# KiCad board MB1635_good_conversion.kicad_pcb (continued)
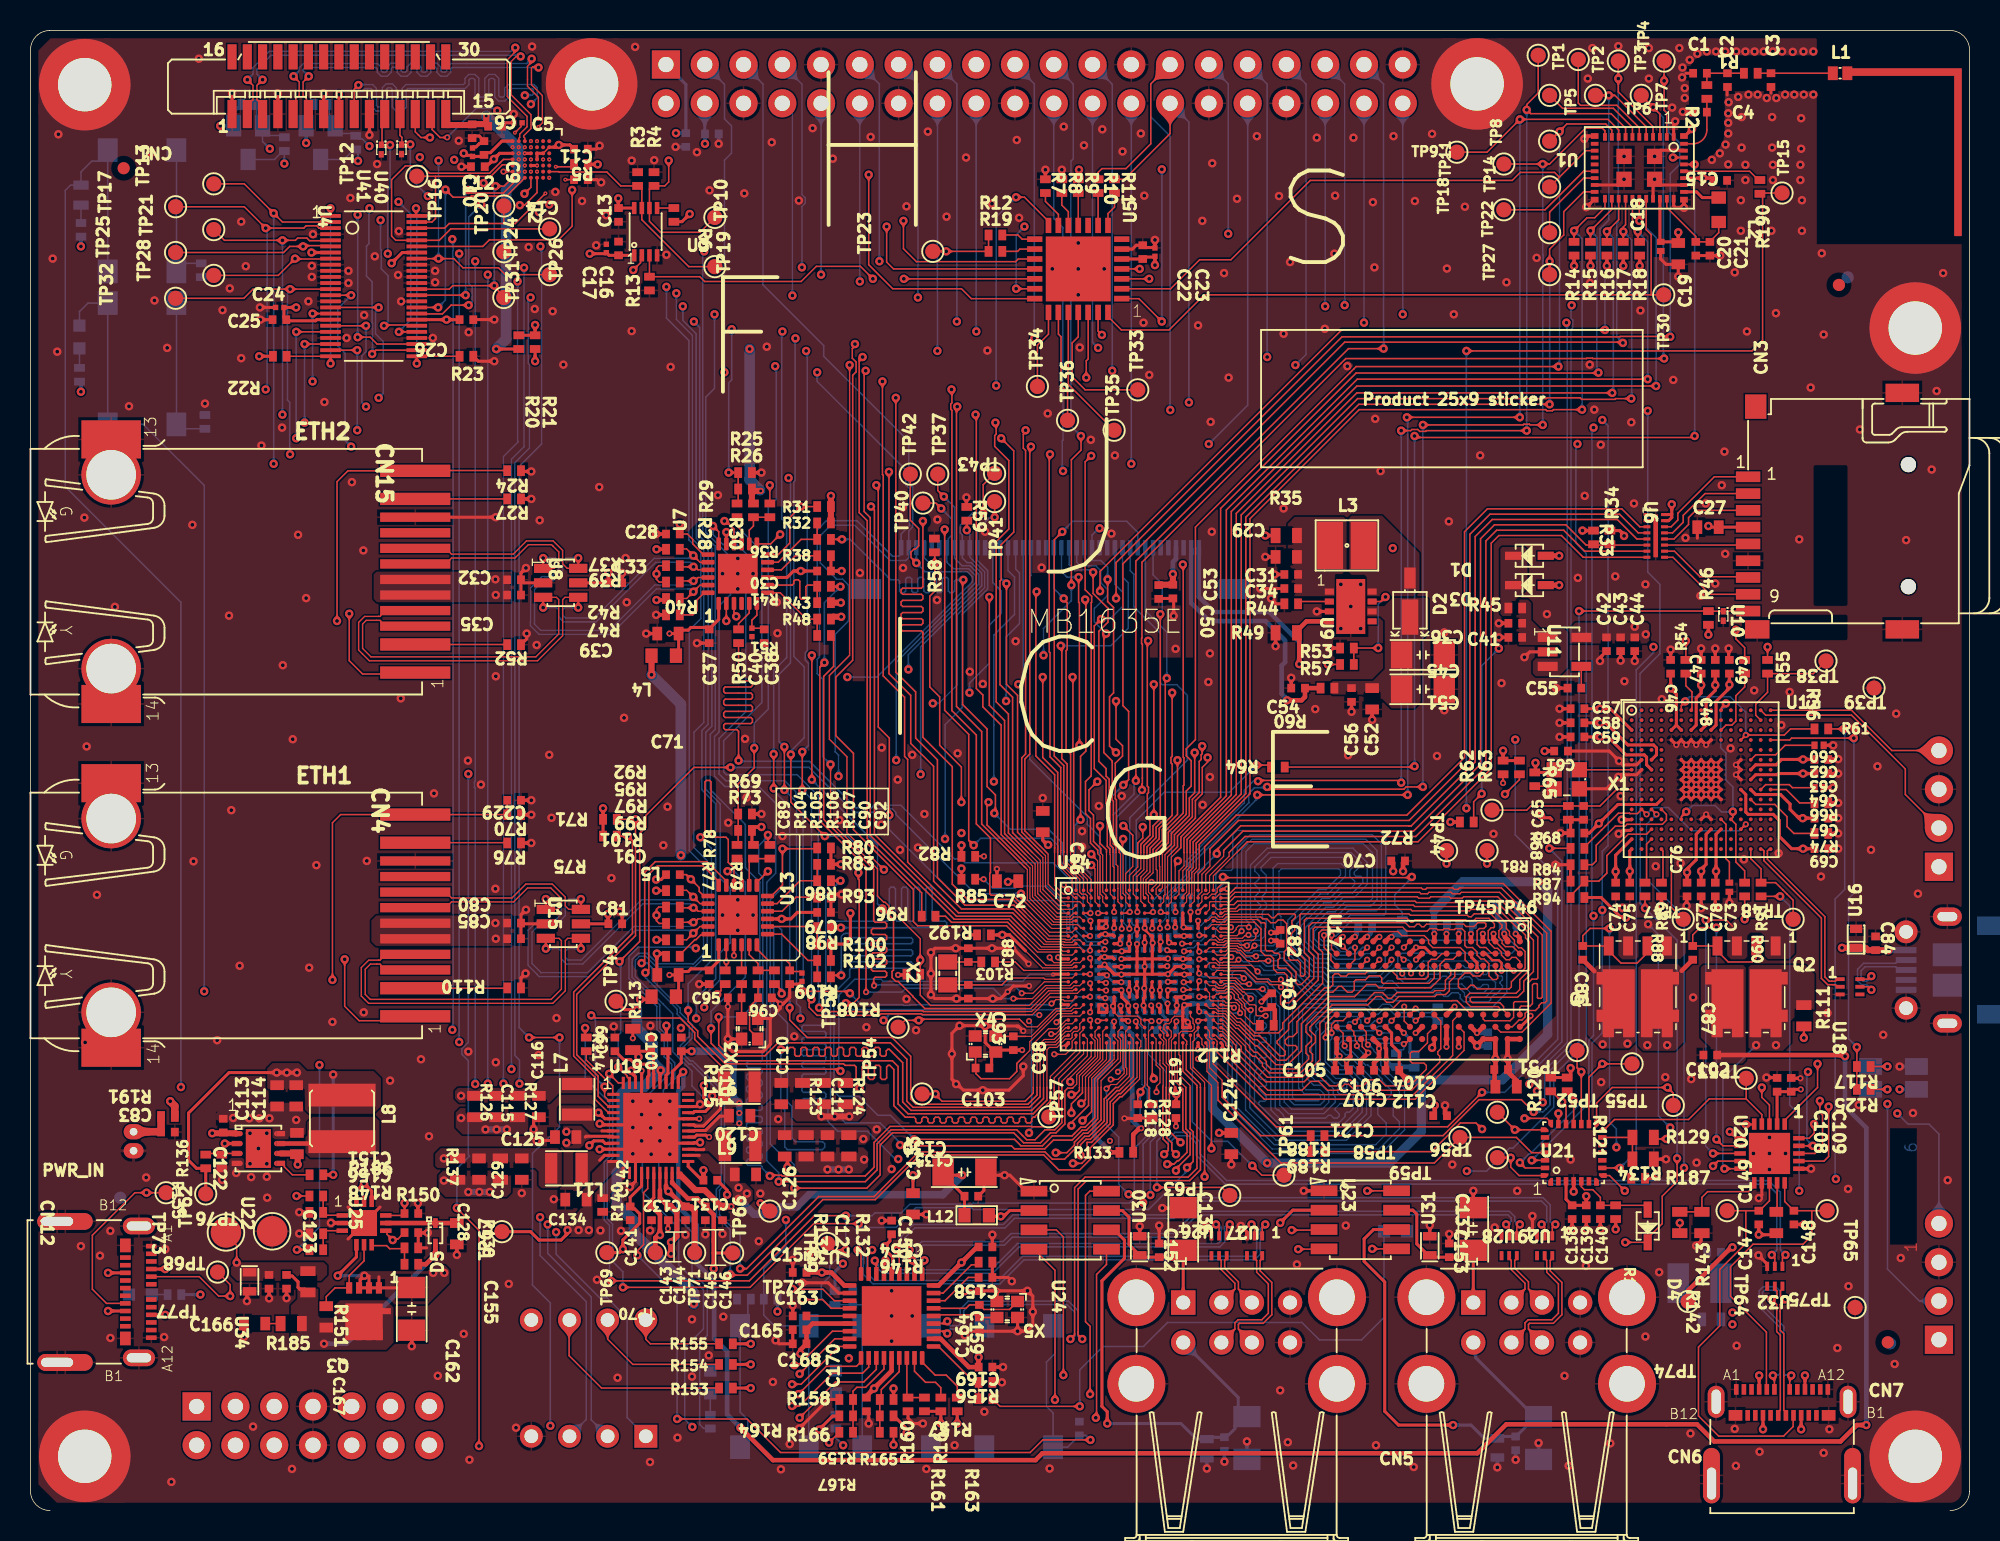
[diagram p0: board, top side]
## Placement (name value [footprint] x y rotation side) (continued)
C180  Capacitor  [C0402]  92.33 38.4 0 bottom
C181  Capacitor  [C0402]  87.42 38.25 180 bottom
C182  Capacitor  [C0201_MURATA_GRM033_H0P3]  76 37.93 270 bottom
C183  Capacitor  [C0201_MURATA_GRM033_H0P3]  69.9 37.9 270 bottom
C184  Capacitor  [C0201_MURATA_GRM033_H0P3]  74.83 37.68 0 bottom
C185  Capacitor  [C0201_MURATA_GRM033_H0P3]  73.72 37.68 180 bottom
C186  Capacitor  [C0201_MURATA_GRM033_H0P3]  72.3 37.63 180 bottom
C187  Capacitor  [C0201_MURATA_GRM033_H0P3]  71.18 37.63 180 bottom
C188  Capacitor  [C0201_MURATA_GRM033_H0P3]  74 36.53 90 bottom
C189  Capacitor  [C0201_MURATA_GRM033_H0P3]  73.18 36.75 180 bottom
C190  Capacitor  [C0201_MURATA_GRM033_H0P3]  71.93 36.48 90 bottom
C191  Capacitor  [C0201_MURATA_GRM033_H0P3]  69.88 36.25 270 bottom
C192  Capacitor  [C0201_MURATA_GRM033_H0P3]  76.05 36.23 90 bottom
C193  Capacitor  [C0201_MURATA_GRM033_H0P3]  74.98 36 90 bottom
C194  Capacitor  [C0201_MURATA_GRM033_H0P3]  70.98 35.98 90 bottom
C195  Capacitor  [C0201_MURATA_GRM033_H0P3]  73.72 35.7 180 bottom
C196  Capacitor  [C0201_MURATA_GRM033_H0P3]  72.2 35.65 180 bottom
C197  Capacitor  [C0201_MURATA_GRM033_H0P3]  69.88 35.15 270 bottom
C198  Capacitor  [C0201_MURATA_GRM033_H0P3]  76.05 35.13 270 bottom
C199  Capacitor  [C0201_MURATA_GRM033_H0P3]  74.98 34.9 270 bottom
C200  Capacitor  [C0201_MURATA_GRM033_H0P3]  74 34.88 270 bottom
C201  Capacitor  [C0201_MURATA_GRM033_H0P3]  71 34.88 270 bottom
C202  Capacitor  [C0201_MURATA_GRM033_H0P3]  71.9 34.83 270 bottom
C203  Capacitor  [C0201_MURATA_GRM033_H0P3]  72.73 34.75 0 bottom
C204  Capacitor  [C0201_MURATA_GRM033_H0P3]  74.98 33.8 90 bottom
C205  Capacitor  [C0201_MURATA_GRM033_H0P3]  71 33.78 270 bottom
C206  Capacitor  [C0201_MURATA_GRM033_H0P3]  76.05 33.48 90 bottom
C207  Capacitor  [C0201_MURATA_GRM033_H0P3]  69.93 33.4 270 bottom
C208  Capacitor  [C0201_MURATA_GRM033_H0P3]  73.23 33.6 0 bottom
C209  Capacitor  [C0201_MURATA_GRM033_H0P3]  72 33.6 0 bottom
C210  Capacitor  [C0402]  77.25 32.8 90 bottom
C211  Capacitor  [C0201_MURATA_GRM033_H0P3]  75.48 32.65 180 bottom
C212  Capacitor  [C0201_MURATA_GRM033_H0P3]  74.38 32.65 0 bottom
C213  Capacitor  [C0201_MURATA_GRM033_H0P3]  73.28 32.65 0 bottom
C214  Capacitor  [_Subversion_Altium_Designer_Library_Trunk_MCD_PARTS_CAPACITOR.PcbLib_C0201_MURATA_GRM033_H0P3]  71.63 32.55 0 bottom
C215  Capacitor  [C0201_MURATA_GRM033_H0P3]  70.53 32.55 180 bottom
C216  Capacitor  [_Subversion_Altium_Designer_Library_Trunk_MCD_PARTS_database.DbLib/MCD_PARTS$_C0201_H0P5]  75.33 31.48 0 bottom
C217  Capacitor  [_Subversion_Altium_Designer_Library_Trunk_MCD_PARTS_database.DbLib/MCD_PARTS$_C0201_H0P5]  74.02 31.48 0 bottom
C218  Capacitor  [C0402]  95.45 30.9 270 bottom
C219  Capacitor  [C0201_MURATA_GRM033_H0P3]  71.16 31.25 0 bottom
C220  Capacitor  [_Subversion_Altium_Designer_Library_Trunk_MCD_PARTS_CAPACITOR.PcbLib_C0402]  71.21 30.55 180 bottom
C221  Capacitor  [_Subversion_Altium_Designer_Library_Trunk_MCD_PARTS_CAPACITOR.PcbLib_C0402#3]  110.28 16.92 0 bottom
C222  Capacitor  [_Subversion_Altium_Designer_Library_Trunk_MCD_PARTS_database.DbLib/MCD_PARTS$_C1210]  109.33 14.9 0 bottom
C223  Capacitor  [_Subversion_Altium_Designer_Library_Trunk_MCD_PARTS_CAPACITOR.PcbLib_C0402]  53.87 13.94 270 bottom
C224  Capacitor  [_Subversion_Altium_Designer_Library_Trunk_MCD_PARTS_CAPACITOR.PcbLib_C1206_H1P6]  98.78 4.75 90 bottom
C225  Capacitor  [_Subversion_Altium_Designer_Library_Trunk_MCD_PARTS_CAPACITOR.PcbLib_C1206_H1P6]  79.68 4.75 90 bottom
C226  Capacitor  [_Subversion_Altium_Designer_Library_Trunk_MCD_PARTS_CAPACITOR.PcbLib_C0402]  97.28 4.4 90 bottom
C227  Capacitor  [_Subversion_Altium_Designer_Library_Trunk_MCD_PARTS_CAPACITOR.PcbLib_C0402]  78.2 4.35 90 bottom
C228  Capacitor  [C0402]  68.7 5.38 270 bottom
C229  Capacitor  [C0402]  31.67 46.55 180 top
CART-1  Comment  [_VIRGIL_AAA__JOB_ALTIUM_STM_Library_Altium_Library_Altium_STM-LMS_MCD_PARTS.PcbLib_Sheetbox_6L2S]  16.92 -29.77 0 top
CN1  Socket_FFC/FPC_1-1734248-5  [_Subversion_Altium_Designer_Library_Trunk_MCD_PARTS_CONNECTOR_OTHER.PcbLib_CON_TE-CONNECTIVITY_1-1734248-5]  20.2 93.4 180 top
CN3  MR01A-01211  [_Subversion_Altium_Designer_Library_Trunk_MCD_PARTS_database.DbLib/MCD_PARTS$_CON_MICROSD_ATOM_MR01A-01211]  127 65.5 90 top
CN4  RJ45_RTS-119A-12F6-GY-02  [CON_RJ45_PHC_RMT-119A-12F6-GY-02]  0 39 270 top
CN5  USB_DUAL_TYPEA_5600-3081  [_Subversion_Altium_Designer_Library_Trunk_MCD_PARTS_CONNECTOR_OTHER.PcbLib_CON_DUAL-USB-TYPE-A_CONEXCON_5600-3081]  79 -2 0 top
CN6  USB_DUAL_TYPEA_5600-3081  [_Subversion_Altium_Designer_Library_Trunk_MCD_PARTS_CONNECTOR_OTHER.PcbLib_CON_DUAL-USB-TYPE-A_CONEXCON_5600-3081]  98 -2 0 top
CN7  USB_TYPE_C_Receptacle  [CON_USB-TYPEC_MOLEX_2012670005#2]  114.72 4.85 0 top
CN8  Header 20x2  [_Subversion_Altium_Designer_Library_Trunk_MCD_PARTS_CONNECTOR_SAMTEC.PcbLib_CON_SAMTEC_TSW-120-07-G-D]  65.75 93.5 0 bottom
CN9  Header 4x1  [_Subversion_Altium_Designer_Library_Trunk_MCD_PARTS_database.DbLib/MCD_PARTS$_CON_SAMTEC_TSW-104-07-G-S]  125 46 90 bottom
CN10  USB_uB_105017.0001  [_Subversion_Altium_Designer_Library_Trunk_MCD_PARTS_CONNECTOR_OTHER.PcbLib_CON_USBMICROB_MOLEX_105017-0001_H2P90]  127 35.43 270 bottom
CN11  Header 2x1  [_Subversion_Altium_Designer_Library_Trunk_MCD_PARTS_CONNECTOR_OTHER.PcbLib_CON_MOLEX_53047-0210]  6.75 24.2 270 bottom
CN12  USB_TYPE_C_Receptacle  [CON_USB-TYPEC_MOLEX_2012670005]  4.82 14.33 270 top
CN13  Header 4x1  [_Subversion_Altium_Designer_Library_Trunk_MCD_PARTS_database.DbLib/MCD_PARTS$_CON_SAMTEC_TSW-104-07-G-S]  125 15 90 bottom
CN14  Header 7x2  [CON_SAMTEC_TSW-107-07-X-D]  18.5 5.55 0 bottom
CN15  RJ45_RTS-119A-12F6-GY-02  [CON_RJ45_PHC_RMT-119A-12F6-GY-02]  0 61.53 270 top
CN16  5051104091  [CON_MOLEX_5051104091]  66.78 62 180 bottom
D1  BAT60JFILM  [_Subversion_Altium_Designer_Library_Trunk_MCD_PARTS_DIODE.PcbLib_DIO_SOD323]  98.17 62.58 180 top
D2  STPS1L40M  [_Subversion_Altium_Designer_Library_Trunk_MCD_PARTS_DIODE.PcbLib_DIO_DO216-AA]  90.35 59.6 90 top
D3  BAT60JFILM  [_Subversion_Altium_Designer_Library_Trunk_MCD_PARTS_DIODE.PcbLib_DIO_SOD323]  98.17 60.65 180 top
D4  BAT60JFILM  [_Subversion_Altium_Designer_Library_Trunk_MCD_PARTS_DIODE.PcbLib_DIO_SOD323]  105.93 18.65 270 top
D5  SCHOTTKY_1A_2K  [DIO_SOD523_1A_2K]  26.52 18.16 90 top
Designator1  Comment  [_Users_Gasnot Jordane_Documents_Projets_ATE_STM_Le Mans_Bibliothèque_MCD_PARTS.PcbLib_MIRE_PLACE_SMD_0P8MM]  6.1 87.98 0 top
Designator2  Comment  [_Users_Gasnot Jordane_Documents_Projets_ATE_STM_Le Mans_Bibliothèque_MCD_PARTS.PcbLib_MIRE_PLACE_SMD_0P8MM]  118.45 80.33 0 top
Designator3  Comment  [_Users_Gasnot Jordane_Documents_Projets_ATE_STM_Le Mans_Bibliothèque_MCD_PARTS.PcbLib_MIRE_PLACE_SMD_0P8MM]  121.65 11.03 0 top
Designator4  Comment  [_Users_Gasnot Jordane_Documents_Projets_ATE_STM_Le Mans_Bibliothèque_MCD_PARTS.PcbLib_MIRE_PLACE_SMD_0P8MM]  119.03 80.83 180 bottom
Designator5  Comment  [_Users_Gasnot Jordane_Documents_Projets_ATE_STM_Le Mans_Bibliothèque_MCD_PARTS.PcbLib_MIRE_PLACE_SMD_0P8MM]  5.88 20.5 180 bottom
Designator6  Comment  [_Users_Gasnot Jordane_Documents_Projets_ATE_STM_Le Mans_Bibliothèque_MCD_PARTS.PcbLib_MIRE_PLACE_SMD_0P8MM]  121.8 10.95 180 bottom
HW2  STICKER_BOARD  [_Subversion_Altium_Designer_Library_Trunk_MCD_PARTS_MISC.PcbLib_STICKER_BOARD_25X9]  111.62 91.95 180 bottom
HW3  STICKER_PRODUCT  [_Subversion_Altium_Designer_Library_Trunk_MCD_PARTS_MISC.PcbLib_STICKER_PRODUCT_25X9]  93.1 72.88 0 top
L1  Inductor  [_Subversion_Altium_Designer_Library_Trunk_MCD_PARTS_INDUCTOR.PcbLib_IND_0402_MURATA_LQW15AN2N4C00X]  118.52 94.2 0 top
L2  Inductor  [_Subversion_Altium_Designer_Library_Trunk_MCD_PARTS_INDUCTOR.PcbLib_L0603]  110.58 85.25 270 top
L3  Inductor  [_Subversion_Altium_Designer_Library_Trunk_MCD_PARTS_INDUCTOR.PcbLib_L1210_LQH]  86.23 63.25 0 top
L4  BEAD  [_Subversion_Altium_Designer_Library_Trunk_MCD_PARTS_INDUCTOR.PcbLib_L0603]  41.48 56.03 180 top
L5  BEAD  [_Subversion_Altium_Designer_Library_Trunk_MCD_PARTS_INDUCTOR.PcbLib_L0603]  41.48 33.68 180 top
L6  IND_1uH_42mohm_3.2A  [IND_2520_TOKO_DFE252012P]  46.42 27.78 0 top
L7  IND_1uH_42mohm_3.2A  [IND_2520_TOKO_DFE252012P]  35.8 26.95 90 top
L8  Inductor  [_Subversion_Altium_Designer_Library_Trunk_MCD_PARTS_INDUCTOR.PcbLib_IND_4025_WURTH_74404043022A]  20.4 25.7 90 top
L9  IND_1uH_42mohm_3.2A  [IND_2520_TOKO_DFE252012P]  46.48 23.9 0 top
L11  IND_1uH_42mohm_3.2A  [IND_2520_TOKO_DFE252012P]  35.1 22.43 180 top
L12  BEAD  [_Subversion_Altium_Designer_Library_Trunk_MCD_PARTS_INDUCTOR.PcbLib_FIL_0603_H0P65]  61.98 19.35 0 top
LD1  LED_green  [LED_0603_GREEN]  7.2 14.15 180 bottom
LD2  LED_red  [_Subversion_Altium_Designer_Library_Trunk_MCD_PARTS_DISPLAY.PcbLib_LED_0603_RED]  89.4 18.3 0 bottom
LD3  LED_blue  [_Subversion_Altium_Designer_Library_Trunk_MCD_PARTS_DISPLAY.PcbLib_LED_0603_SMD-B_BLUE_H0P4]  3.3 86.21 90 bottom
LD4  LED_red  [_Subversion_Altium_Designer_Library_Trunk_MCD_PARTS_DISPLAY.PcbLib_LED_0603_RED]  3.2 76.91 90 bottom
LD5  LD_BICOLOR_VCC  [LED_BI-GR_CMD67-22]  122.02 28.35 90 bottom
LD6  LED_orange  [_Subversion_Altium_Designer_Library_Trunk_MCD_PARTS_DISPLAY.PcbLib_LED_0603_ORANGE_H0P4]  44.52 8.43 90 bottom
LD7  LED_green  [_Subversion_Altium_Designer_Library_Trunk_MCD_PARTS_DISPLAY.PcbLib_LED_0603_GREEN]  52.75 8.42 90 bottom
NOREF  -  [unnamed]  94.75 93.5 0 top
NOREF#2  -  [unnamed]  123.45 77.5 0 top
NOREF#3  -  [unnamed]  3.55 3.55 0 top
NOREF#4  -  [unnamed]  3.55 93.45 0 top
NOREF#5  -  [unnamed]  123.45 3.55 0 top
NOREF#6  -  [unnamed]  36.75 93.5 0 top
Q1  STL40DN3LLH5  [_Subversion_Altium_Designer_Library_Trunk_MCD_PARTS_TRANSISTOR.PcbLib_PowerFLAT_5x6]  105.28 34.33 0 top
Q2  STL40DN3LLH5  [_Subversion_Altium_Designer_Library_Trunk_MCD_PARTS_TRANSISTOR.PcbLib_PowerFLAT_5x6]  112.4 34.33 0 top
Q3  STL11N3LLH6  [MOS_POWERFLAT_3P3X3P3_P065]  21.84 13.06 180 top
R1  Resistor  [_Subversion_Altium_Designer_Library_Trunk_MCD_PARTS_RESISTOR.PcbLib_R0402#3]  112.68 94.2 180 top
R2  Resistor  [_Subversion_Altium_Designer_Library_Trunk_MCD_PARTS_RESISTOR.PcbLib_R0402]  109.8 92.98 270 top
R3  Resistor  [_Subversion_Altium_Designer_Library_Trunk_MCD_PARTS_RESISTOR.PcbLib_R0402#3]  39.76 87.26 90 top
R4  Resistor  [_Subversion_Altium_Designer_Library_Trunk_MCD_PARTS_RESISTOR.PcbLib_R0402#3]  40.84 87.26 90 top
R5  Resistor  [_Subversion_Altium_Designer_Library_Trunk_MCD_PARTS_RESISTOR.PcbLib_R0402#3]  36.05 88.23 180 top
R6  Resistor  [_Subversion_Altium_Designer_Library_Trunk_MCD_PARTS_RESISTOR.PcbLib_R0402]  42.14 84.91 270 top
R7  Resistor  [_Subversion_Altium_Designer_Library_Trunk_MCD_PARTS_RESISTOR.PcbLib_R0402]  66.47 86.8 270 top
R8  Resistor  [_Subversion_Altium_Designer_Library_Trunk_MCD_PARTS_RESISTOR.PcbLib_R0402]  67.55 86.8 270 top
R9  Resistor  [_Subversion_Altium_Designer_Library_Trunk_MCD_PARTS_RESISTOR.PcbLib_R0402]  68.62 86.8 270 top
R10  Resistor  [_Subversion_Altium_Designer_Library_Trunk_MCD_PARTS_RESISTOR.PcbLib_R0402]  69.92 86.8 270 top
R11  Resistor  [_Subversion_Altium_Designer_Library_Trunk_MCD_PARTS_RESISTOR.PcbLib_R0402]  71 86.8 270 top
R12  Resistor  [_Subversion_Altium_Designer_Library_Trunk_MCD_PARTS_RESISTOR.PcbLib_R0402#3]  63.2 83.6 0 top
R13  Resistor  [_Subversion_Altium_Designer_Library_Trunk_MCD_PARTS_RESISTOR.PcbLib_R0402#2]  40.54 80.41 90 top
R14  Resistor  [_Subversion_Altium_Designer_Library_Trunk_MCD_PARTS_RESISTOR.PcbLib_R0402]  101.1 82.7 90 top
R15  Resistor  [_Subversion_Altium_Designer_Library_Trunk_MCD_PARTS_RESISTOR.PcbLib_R0402]  102.17 82.7 90 top
R16  Resistor  [_Subversion_Altium_Designer_Library_Trunk_MCD_PARTS_RESISTOR.PcbLib_R0402]  103.25 82.7 90 top
R17  Resistor  [_Subversion_Altium_Designer_Library_Trunk_MCD_PARTS_RESISTOR.PcbLib_R0402]  104.33 82.7 90 top
R18  Resistor  [_Subversion_Altium_Designer_Library_Trunk_MCD_PARTS_RESISTOR.PcbLib_R0402]  105.4 82.7 90 top
R19  Resistor  [_Subversion_Altium_Designer_Library_Trunk_MCD_PARTS_RESISTOR.PcbLib_R0402#3]  63.2 82.53 0 top
R20  Resistor  [_Subversion_Altium_Designer_Library_Trunk_MCD_PARTS_RESISTOR.PcbLib_R0402]  31.97 76.58 270 top
R21  Resistor  [_Subversion_Altium_Designer_Library_Trunk_MCD_PARTS_RESISTOR.PcbLib_R0402]  33.05 76.58 270 top
R22  Resistor  [_Subversion_Altium_Designer_Library_Trunk_MCD_PARTS_RESISTOR.PcbLib_R0402#3]  16.33 75.65 180 top
R23  Resistor  [_Subversion_Altium_Designer_Library_Trunk_MCD_PARTS_RESISTOR.PcbLib_R0402#3]  28.55 75.65 0 top
R24  Resistor  [_Subversion_Altium_Designer_Library_Trunk_MCD_PARTS_RESISTOR.PcbLib_R0402#3]  31.68 68.15 180 top
R25  Resistor  [_Subversion_Altium_Designer_Library_Trunk_MCD_PARTS_RESISTOR.PcbLib_R0402]  46.8 68.03 0 top
R26  Resistor  [_Subversion_Altium_Designer_Library_Trunk_MCD_PARTS_RESISTOR.PcbLib_R0402]  46.8 66.95 0 top
R27  Resistor  [_Subversion_Altium_Designer_Library_Trunk_MCD_PARTS_RESISTOR.PcbLib_R0402#3]  31.68 66.3 180 top
R28  Resistor  [_Subversion_Altium_Designer_Library_Trunk_MCD_PARTS_RESISTOR.PcbLib_R0402]  46.27 65.55 270 top
R29  Resistor  [_Subversion_Altium_Designer_Library_Trunk_MCD_PARTS_RESISTOR.PcbLib_R0402]  47.35 65.55 90 top
R30  Resistor  [_Subversion_Altium_Designer_Library_Trunk_MCD_PARTS_RESISTOR.PcbLib_R0402]  48.42 65.55 270 top
R31  Resistor  [_Subversion_Altium_Designer_Library_Trunk_MCD_PARTS_RESISTOR.PcbLib_R0402#2]  51.98 65.8 0 top
R32  Resistor  [_Subversion_Altium_Designer_Library_Trunk_MCD_PARTS_RESISTOR.PcbLib_R0402#2]  51.98 64.73 0 top
R33  Resistor  [_Subversion_Altium_Designer_Library_Trunk_MCD_PARTS_RESISTOR.PcbLib_R0402]  102.37 63.78 270 top
R34  Resistor  [_Subversion_Altium_Designer_Library_Trunk_MCD_PARTS_RESISTOR.PcbLib_R0402]  103.45 63.78 90 top
R35  Resistor  [_Subversion_Altium_Designer_Library_Trunk_MCD_PARTS_database.DbLib/MCD_PARTS$_R0603]  82.25 63.9 0 top
R36  Resistor  [_Subversion_Altium_Designer_Library_Trunk_MCD_PARTS_RESISTOR.PcbLib_R0402#3]  51.98 63.65 180 top
R37  Resistor  [_Subversion_Altium_Designer_Library_Trunk_MCD_PARTS_RESISTOR.PcbLib_R0402#2]  42.07 63 180 top
R38  Resistor  [_Subversion_Altium_Designer_Library_Trunk_MCD_PARTS_RESISTOR.PcbLib_R0402#2]  51.98 62.58 0 top
R39  Resistor  [_Subversion_Altium_Designer_Library_Trunk_MCD_PARTS_RESISTOR.PcbLib_R0402#2]  42.07 61.93 180 top
R40  Resistor  [_Subversion_Altium_Designer_Library_Trunk_MCD_PARTS_RESISTOR.PcbLib_R0402#2]  42.07 60.85 180 top
R41  Resistor  [_Subversion_Altium_Designer_Library_Trunk_MCD_PARTS_RESISTOR.PcbLib_R0402#3]  51.98 60.58 180 top
R42  Resistor  [_Subversion_Altium_Designer_Library_Trunk_MCD_PARTS_RESISTOR.PcbLib_R0402#2]  42.07 59.78 180 top
R43  Resistor  [_Subversion_Altium_Designer_Library_Trunk_MCD_PARTS_RESISTOR.PcbLib_R0402#2]  51.98 59.5 0 top
R44  Resistor  [_Subversion_Altium_Designer_Library_Trunk_MCD_PARTS_RESISTOR.PcbLib_R0402#3]  82.58 59.43 0 top
R45  Resistor  [_Subversion_Altium_Designer_Library_Trunk_MCD_PARTS_RESISTOR.PcbLib_R0402#3]  97.25 59.15 0 top
R46  Resistor  [_Subversion_Altium_Designer_Library_Trunk_MCD_PARTS_RESISTOR.PcbLib_R0402]  109.9 58.5 90 top
R47  Resistor  [_Subversion_Altium_Designer_Library_Trunk_MCD_PARTS_RESISTOR.PcbLib_R0402#2]  42.07 58.7 180 top
R48  Resistor  [_Subversion_Altium_Designer_Library_Trunk_MCD_PARTS_RESISTOR.PcbLib_R0402#2]  51.98 58.43 0 top
R49  Resistor  [_Subversion_Altium_Designer_Library_Trunk_MCD_PARTS_database.DbLib/MCD_PARTS$_R0603]  82.25 57.53 0 top
R50  Resistor  [_Subversion_Altium_Designer_Library_Trunk_MCD_PARTS_RESISTOR.PcbLib_R0402]  46.37 57.3 90 top
R51  Resistor  [_Subversion_Altium_Designer_Library_Trunk_MCD_PARTS_RESISTOR.PcbLib_R0402#3]  51.98 57.35 180 top
R52  Resistor  [_Subversion_Altium_Designer_Library_Trunk_MCD_PARTS_RESISTOR.PcbLib_R0402#3]  31.68 56.75 180 top
R53  Resistor  [_Subversion_Altium_Designer_Library_Trunk_MCD_PARTS_database.DbLib/MCD_PARTS$_R0402#3]  86.23 56.53 0 top
R54  Resistor  [_Subversion_Altium_Designer_Library_Trunk_MCD_PARTS_RESISTOR.PcbLib_R0402]  108.42 55.3 90 top
R55  Resistor  [_Subversion_Altium_Designer_Library_Trunk_MCD_PARTS_RESISTOR.PcbLib_R0402]  112.27 55.3 90 top
R56  Resistor  [_Subversion_Altium_Designer_Library_Trunk_MCD_PARTS_RESISTOR.PcbLib_R0402]  113.78 55.3 270 top
R57  Resistor  [_Subversion_Altium_Designer_Library_Trunk_MCD_PARTS_database.DbLib/MCD_PARTS$_R0402#3]  86.23 55.45 0 top
R58  Resistor  [_Subversion_Altium_Designer_Library_Trunk_MCD_PARTS_RESISTOR.PcbLib_R0402]  59.2 63.25 90 top
R59  Resistor  [_Subversion_Altium_Designer_Library_Trunk_MCD_PARTS_database.DbLib/MCD_PARTS$_R0402]  61.33 65.33 270 top
R60  Resistor  [_Subversion_Altium_Designer_Library_Trunk_MCD_PARTS_RESISTOR.PcbLib_R0402]  84.95 53.9 180 top
R61  Resistor  [_Subversion_Altium_Designer_Library_Trunk_MCD_PARTS_RESISTOR.PcbLib_R0402#2]  117.3 51.23 0 top
R62  Resistor  [R0402]  96.45 48.7 90 top
R63  Resistor  [R0402]  97.53 48.7 90 top
R64  Resistor  [_Subversion_Altium_Designer_Library_Trunk_MCD_PARTS_database.DbLib/MCD_PARTS$_R0402#2]  81.7 48.73 180 top
R65  Resistor  [_Subversion_Altium_Designer_Library_Trunk_MCD_PARTS_RESISTOR.PcbLib_R0402]  98.53 47.93 270 top
R66  Resistor  [_Subversion_Altium_Designer_Library_Trunk_MCD_PARTS_RESISTOR.PcbLib_R0402#3]  117.3 46.38 180 top
R68  Resistor  [_Subversion_Altium_Designer_Library_Trunk_MCD_PARTS_RESISTOR.PcbLib_R0402]  100.72 45.73 270 top
R69  Resistor  [_Subversion_Altium_Designer_Library_Trunk_MCD_PARTS_RESISTOR.PcbLib_R0402]  46.8 45.65 0 top
R70  Resistor  [_Subversion_Altium_Designer_Library_Trunk_MCD_PARTS_RESISTOR.PcbLib_R0402#3]  31.68 45.6 180 top
R71  Resistor  [R0402]  37.95 45.3 180 top
R72  Resistor  [_Subversion_Altium_Designer_Library_Trunk_MCD_PARTS_RESISTOR.PcbLib_R0402#2]  94.08 45.13 180 top
R73  Resistor  [_Subversion_Altium_Designer_Library_Trunk_MCD_PARTS_RESISTOR.PcbLib_R0402]  46.8 44.58 0 top
R74  Resistor  [_Subversion_Altium_Designer_Library_Trunk_MCD_PARTS_RESISTOR.PcbLib_R0402#3]  117.3 44.38 180 top
R75  Resistor  [R0402]  37.95 44.2 180 top
R76  Resistor  [_Subversion_Altium_Designer_Library_Trunk_MCD_PARTS_RESISTOR.PcbLib_R0402#3]  31.68 43.75 180 top
R77  Resistor  [_Subversion_Altium_Designer_Library_Trunk_MCD_PARTS_RESISTOR.PcbLib_R0402]  46.27 43.18 270 top
R78  Resistor  [_Subversion_Altium_Designer_Library_Trunk_MCD_PARTS_RESISTOR.PcbLib_R0402]  47.35 43.18 90 top
R79  Resistor  [_Subversion_Altium_Designer_Library_Trunk_MCD_PARTS_RESISTOR.PcbLib_R0402]  48.42 43.18 270 top
R80  Resistor  [_Subversion_Altium_Designer_Library_Trunk_MCD_PARTS_RESISTOR.PcbLib_R0402#2]  51.98 43.43 0 top
R81  Resistor  [_Subversion_Altium_Designer_Library_Trunk_MCD_PARTS_RESISTOR.PcbLib_R0402#3]  101.33 43.4 180 top
R82  Resistor  [R0402]  61.42 42.88 180 top
R83  Resistor  [_Subversion_Altium_Designer_Library_Trunk_MCD_PARTS_RESISTOR.PcbLib_R0402#2]  51.98 42.35 0 top
R84  Resistor  [_Subversion_Altium_Designer_Library_Trunk_MCD_PARTS_RESISTOR.PcbLib_R0402#2]  101.33 42.33 0 top
R85  Resistor  [_Subversion_Altium_Designer_Library_Trunk_MCD_PARTS_database.DbLib/MCD_PARTS$_R0402]  61.42 41.38 0 top
R86  Resistor  [_Subversion_Altium_Designer_Library_Trunk_MCD_PARTS_RESISTOR.PcbLib_R0402#3]  51.98 41.28 180 top
R87  Resistor  [_Subversion_Altium_Designer_Library_Trunk_MCD_PARTS_RESISTOR.PcbLib_R0402#2]  101.33 41.25 0 top
R88  Resistor  [_Subversion_Altium_Designer_Library_Trunk_MCD_PARTS_RESISTOR.PcbLib_R0402]  105.75 40.7 270 top
R89  Resistor  [_Subversion_Altium_Designer_Library_Trunk_MCD_PARTS_RESISTOR.PcbLib_R0402]  106.83 40.7 90 top
R90  Resistor  [_Subversion_Altium_Designer_Library_Trunk_MCD_PARTS_RESISTOR.PcbLib_R0402]  112.27 40.7 270 top
R91  Resistor  [_Subversion_Altium_Designer_Library_Trunk_MCD_PARTS_RESISTOR.PcbLib_R0402]  113.35 40.7 90 top
R92  Resistor  [_Subversion_Altium_Designer_Library_Trunk_MCD_PARTS_RESISTOR.PcbLib_R0402#2]  42.07 40.63 180 top
R93  Resistor  [_Subversion_Altium_Designer_Library_Trunk_MCD_PARTS_RESISTOR.PcbLib_R0402#2]  51.98 40.2 0 top
R94  Resistor  [_Subversion_Altium_Designer_Library_Trunk_MCD_PARTS_RESISTOR.PcbLib_R0402#2]  101.33 40.18 0 top
R95  Resistor  [_Subversion_Altium_Designer_Library_Trunk_MCD_PARTS_RESISTOR.PcbLib_R0402#2]  42.07 39.55 180 top
R96  Resistor  [_Subversion_Altium_Designer_Library_Trunk_MCD_PARTS_database.DbLib/MCD_PARTS$_R0402#3]  58.83 38.95 180 top
R97  Resistor  [_Subversion_Altium_Designer_Library_Trunk_MCD_PARTS_RESISTOR.PcbLib_R0402#2]  42.07 38.48 180 top
R98  Resistor  [_Subversion_Altium_Designer_Library_Trunk_MCD_PARTS_RESISTOR.PcbLib_R0402#3]  51.98 38.2 180 top
R99  Resistor  [_Subversion_Altium_Designer_Library_Trunk_MCD_PARTS_RESISTOR.PcbLib_R0402#2]  42.07 37.4 180 top
R100  Resistor  [_Subversion_Altium_Designer_Library_Trunk_MCD_PARTS_RESISTOR.PcbLib_R0402#2]  51.98 37.13 0 top
R101  Resistor  [_Subversion_Altium_Designer_Library_Trunk_MCD_PARTS_RESISTOR.PcbLib_R0402#2]  42.07 36.33 180 top
R102  Resistor  [_Subversion_Altium_Designer_Library_Trunk_MCD_PARTS_RESISTOR.PcbLib_R0402#2]  51.98 36.05 0 top
R103  Resistor  [R0402]  62.72 35.95 180 top
R104  Resistor  [_Subversion_Altium_Designer_Library_Trunk_MCD_PARTS_RESISTOR.PcbLib_R0402]  45.5 34.95 90 top
R105  Resistor  [_Subversion_Altium_Designer_Library_Trunk_MCD_PARTS_RESISTOR.PcbLib_R0402]  46.58 34.95 90 top
R106  Resistor  [_Subversion_Altium_Designer_Library_Trunk_MCD_PARTS_RESISTOR.PcbLib_R0402]  47.65 34.95 90 top
R107  Resistor  [_Subversion_Altium_Designer_Library_Trunk_MCD_PARTS_RESISTOR.PcbLib_R0402]  48.72 34.95 90 top
R108  Resistor  [R0402]  57.83 35.15 180 top
R109  Resistor  [_Subversion_Altium_Designer_Library_Trunk_MCD_PARTS_RESISTOR.PcbLib_R0402#3]  51.98 34.98 180 top
R110  Resistor  [_Subversion_Altium_Designer_Library_Trunk_MCD_PARTS_RESISTOR.PcbLib_R0402#3]  31.68 34.25 180 top
R111  Resistor  [_Subversion_Altium_Designer_Library_Trunk_MCD_PARTS_RESISTOR.PcbLib_R0603]  116.15 32.43 90 top
R112  Resistor  [R0402]  80.97 31.8 180 top
R113  Resistor  [_Subversion_Altium_Designer_Library_Trunk_MCD_PARTS_database.DbLib/MCD_PARTS$_R0603]  39.45 30.88 90 top
R114  Resistor  [R0402]  36.4 30.55 270 top
R115  Resistor  [R0402]  41.63 30.55 270 top
R117  Resistor  [_Subversion_Altium_Designer_Library_Trunk_MCD_PARTS_RESISTOR.PcbLib_R0402]  120.08 29.1 180 top
R120  Resistor  [_Subversion_Altium_Designer_Library_Trunk_MCD_PARTS_RESISTOR.PcbLib_R0402]  99.58 27.93 90 top
R121  Resistor  [_Subversion_Altium_Designer_Library_Trunk_MCD_PARTS_RESISTOR.PcbLib_R0402]  100.65 27.93 270 top
R123  Resistor  [_Subversion_Altium_Designer_Library_Trunk_MCD_PARTS_RESISTOR.PcbLib_R0603]  50.58 27.33 270 top
R124  Resistor  [_Subversion_Altium_Designer_Library_Trunk_MCD_PARTS_database.DbLib/MCD_PARTS$_R0603]  53.37 27.33 270 top
R125  Resistor  [_Subversion_Altium_Designer_Library_Trunk_MCD_PARTS_RESISTOR.PcbLib_R0402]  120.08 27.6 180 top
R126  Resistor  [_Subversion_Altium_Designer_Library_Trunk_MCD_PARTS_database.DbLib/MCD_PARTS$_R0603]  29.1 26.48 270 top
R127  Resistor  [_Subversion_Altium_Designer_Library_Trunk_MCD_PARTS_RESISTOR.PcbLib_R0603]  31.9 26.48 270 top
R128  Resistor  [_Subversion_Altium_Designer_Library_Trunk_MCD_PARTS_database.DbLib/MCD_PARTS$_R0402]  73.48 26.18 270 top
R129  Resistor  [_Subversion_Altium_Designer_Library_Trunk_MCD_PARTS_RESISTOR.PcbLib_R0603]  105.62 24.45 0 top
R131  Resistor  [_Subversion_Altium_Designer_Library_Trunk_MCD_PARTS_RESISTOR.PcbLib_R0603]  50.8 23.9 270 top
R132  Resistor  [_Subversion_Altium_Designer_Library_Trunk_MCD_PARTS_database.DbLib/MCD_PARTS$_R0603]  53.6 23.9 270 top
R133  Resistor  [_Subversion_Altium_Designer_Library_Trunk_MCD_PARTS_RESISTOR.PcbLib_R0402]  71.77 23.48 0 top
R134  Resistor  [_Subversion_Altium_Designer_Library_Trunk_MCD_PARTS_RESISTOR.PcbLib_R0603]  105.62 23.03 180 top
R135  Resistor  [_Subversion_Altium_Designer_Library_Trunk_MCD_PARTS_RESISTOR.PcbLib_R0402]  11.47 22.88 270 top
R136  Resistor  [_Subversion_Altium_Designer_Library_Trunk_MCD_PARTS_RESISTOR.PcbLib_R0402]  12.52 22.88 90 top
R137  Resistor  [_Subversion_Altium_Designer_Library_Trunk_MCD_PARTS_database.DbLib/MCD_PARTS$_R0603]  27.97 22.38 270 top
R138  Resistor  [_Subversion_Altium_Designer_Library_Trunk_MCD_PARTS_RESISTOR.PcbLib_R0603]  30.77 22.38 270 top
R140  Resistor  [_Subversion_Altium_Designer_Library_Trunk_MCD_PARTS_RESISTOR.PcbLib_R0402]  37.47 20.03 90 top
R141  Resistor  [_Subversion_Altium_Designer_Library_Trunk_MCD_PARTS_RESISTOR.PcbLib_R0402]  103.83 19.55 270 top
R142  Resistor  [_Subversion_Altium_Designer_Library_Trunk_MCD_PARTS_RESISTOR.PcbLib_R0603]  108.02 18.88 270 top
R143  Resistor  [_Subversion_Altium_Designer_Library_Trunk_MCD_PARTS_RESISTOR.PcbLib_R0603]  109.47 18.88 90 top
R144  Resistor  [R0402]  18.72 20.61 180 top
R145  Resistor  [R0402]  18.72 19.54 0 top
R146  Resistor  [_Subversion_Altium_Designer_Library_Trunk_MCD_PARTS_RESISTOR.PcbLib_R0402#3]  62.55 16.28 180 top
R147  Resistor  [R0402]  18.72 18.14 0 top
R148  Resistor  [_Subversion_Altium_Designer_Library_Trunk_MCD_PARTS_RESISTOR.PcbLib_R0402]  24.94 17.21 180 top
R149  Resistor  [R0402]  18.72 17.09 180 top
R150  Resistor  [_Subversion_Altium_Designer_Library_Trunk_MCD_PARTS_RESISTOR.PcbLib_R0402]  24.94 16.14 0 top
R151  Resistor  [R0603]  18.17 14.99 270 top
R152  Resistor  [R0402]  9.43 14.15 0 bottom
R153  Resistor  [_Subversion_Altium_Designer_Library_Trunk_MCD_PARTS_RESISTOR.PcbLib_R0402]  45.55 8.03 0 top
R154  Resistor  [_Subversion_Altium_Designer_Library_Trunk_MCD_PARTS_RESISTOR.PcbLib_R0402]  45.55 9.58 0 top
R155  Resistor  [_Subversion_Altium_Designer_Library_Trunk_MCD_PARTS_RESISTOR.PcbLib_R0402]  45.55 10.93 0 top
R156  Resistor  [_Subversion_Altium_Designer_Library_Trunk_MCD_PARTS_RESISTOR.PcbLib_R0402#3]  62.55 8.4 180 top
R157  Resistor  [_Subversion_Altium_Designer_Library_Trunk_MCD_PARTS_RESISTOR.PcbLib_R0402#3]  62.55 7.33 180 top
R158  Resistor  [_Subversion_Altium_Designer_Library_Trunk_MCD_PARTS_RESISTOR.PcbLib_R0402#3]  53.42 7.28 0 top
R159  Resistor  [_Subversion_Altium_Designer_Library_Trunk_MCD_PARTS_RESISTOR.PcbLib_R0402#2]  56.08 7.28 180 top
R160  Resistor  [_Subversion_Altium_Designer_Library_Trunk_MCD_PARTS_RESISTOR.PcbLib_R0402]  57.47 6.95 90 top
R161  Resistor  [_Subversion_Altium_Designer_Library_Trunk_MCD_PARTS_RESISTOR.PcbLib_R0402]  58.55 6.95 270 top
R162  Resistor  [_Subversion_Altium_Designer_Library_Trunk_MCD_PARTS_RESISTOR.PcbLib_R0402]  59.63 6.95 90 top
R163  Resistor  [_Subversion_Altium_Designer_Library_Trunk_MCD_PARTS_RESISTOR.PcbLib_R0402]  60.7 6.95 270 top
R164  Resistor  [_Subversion_Altium_Designer_Library_Trunk_MCD_PARTS_RESISTOR.PcbLib_R0402#2]  53.42 6.2 180 top
R165  Resistor  [_Subversion_Altium_Designer_Library_Trunk_MCD_PARTS_RESISTOR.PcbLib_R0402#3]  56.08 6.2 0 top
R166  Resistor  [_Subversion_Altium_Designer_Library_Trunk_MCD_PARTS_RESISTOR.PcbLib_R0402#3]  53.42 5.13 0 top
R167  Resistor  [_Subversion_Altium_Designer_Library_Trunk_MCD_PARTS_RESISTOR.PcbLib_R0402#2]  56.08 5.13 180 top
R168  Resistor  [_Subversion_Altium_Designer_Library_Trunk_MCD_PARTS_RESISTOR.PcbLib_R0402]  19 92.15 180 bottom
R169  Resistor  [_Subversion_Altium_Designer_Library_Trunk_MCD_PARTS_RESISTOR.PcbLib_R0402#3]  14.25 92.15 180 bottom
R170  Resistor  [_Subversion_Altium_Designer_Library_Trunk_MCD_PARTS_RESISTOR.PcbLib_R0402]  21.3 89.65 270 bottom
R171  Resistor  [_Subversion_Altium_Designer_Library_Trunk_MCD_PARTS_RESISTOR.PcbLib_R0402]  16.62 89.55 270 bottom
R172  Resistor  [_Subversion_Altium_Designer_Library_Trunk_MCD_PARTS_RESISTOR.PcbLib_R0402]  3.3 83.94 270 bottom
R173  Resistor  [_Subversion_Altium_Designer_Library_Trunk_MCD_PARTS_RESISTOR.PcbLib_R0402]  11.18 81.29 270 bottom
R174  Resistor  [_Subversion_Altium_Designer_Library_Trunk_MCD_PARTS_RESISTOR.PcbLib_R0402]  3.2 74.44 270 bottom
R175  Resistor  [_Subversion_Altium_Designer_Library_Trunk_MCD_PARTS_RESISTOR.PcbLib_R0402]  11.42 71.35 90 bottom
R176  Resistor  [R0402]  89.85 38.28 90 bottom
R177  Resistor  [R0402]  92.17 32.53 90 bottom
R178  Resistor  [R0402]  89.47 29.53 90 bottom
R179  Resistor  [R0402]  90.62 29.48 90 bottom
R180  Resistor  [_Subversion_Altium_Designer_Library_Trunk_MCD_PARTS_RESISTOR.PcbLib_R0402]  52.69 13.94 90 bottom
R181  Resistor  [_Subversion_Altium_Designer_Library_Trunk_MCD_PARTS_RESISTOR.PcbLib_R0402#3]  48.47 13.85 0 bottom
R182  Resistor  [_Subversion_Altium_Designer_Library_Trunk_MCD_PARTS_RESISTOR.PcbLib_R0402]  46.72 13.85 180 bottom
R183  Resistor  [_Subversion_Altium_Designer_Library_Trunk_MCD_PARTS_RESISTOR.PcbLib_R0402]  52.75 5.83 90 bottom
R184  Resistor  [_Subversion_Altium_Designer_Library_Trunk_MCD_PARTS_RESISTOR.PcbLib_R0402]  44.52 5.83 90 bottom
R185  Resistor  [R0603]  17.07 12.25 0 top
R186  Resistor  [R0402#2]  18.73 22 0 top
R187  Resistor  [R0402]  105.3 21.78 0 top
R188  Resistor  [R0402#2]  84.3 24.57 180 top
R189  Resistor  [R0402#2]  84.3 23.52 180 top
R190  Resistor  [R0402]  113.27 86.75 90 top
R191  Resistor  [R0402]  9 25.83 180 top
R192  Resistor  [R0402]  62.45 37.73 180 top
SW1  76SB04ST  [SWI_GRAYHILL-INC_76SB04ST]  36.55 8.68 180 bottom
TP1  Test Point  [_Subversion_Altium_Designer_Library_Trunk_MCD_PARTS_MISC.PcbLib_TP_SMD_1MM]  98.75 95.38 90 top
TP2  Test Point  [_Subversion_Altium_Designer_Library_Trunk_MCD_PARTS_MISC.PcbLib_TP_SMD_1MM]  101.38 95.1 90 top
TP3  Test Point  [_Subversion_Altium_Designer_Library_Trunk_MCD_PARTS_MISC.PcbLib_TP_SMD_1MM]  104 95 90 top
TP4  Test Point  [_Subversion_Altium_Designer_Library_Trunk_MCD_PARTS_MISC.PcbLib_TP_SMD_1MM]  107 95 90 top
TP5  Test Point  [_Subversion_Altium_Designer_Library_Trunk_MCD_PARTS_MISC.PcbLib_TP_SMD_1MM]  99.5 92.75 90 top
TP6  Test Point  [_Subversion_Altium_Designer_Library_Trunk_MCD_PARTS_MISC.PcbLib_TP_SMD_1MM]  102.5 92.75 0 top
TP7  Test Point  [_Subversion_Altium_Designer_Library_Trunk_MCD_PARTS_MISC.PcbLib_TP_SMD_1MM]  105.5 92.75 90 top
TP8  Test Point  [_Subversion_Altium_Designer_Library_Trunk_MCD_PARTS_MISC.PcbLib_TP_SMD_1MM]  99.5 89.75 90 top
TP9  Test Point  [_Subversion_Altium_Designer_Library_Trunk_MCD_PARTS_MISC.PcbLib_TP_SMD_1MM]  93.42 89.03 0 top
TP10  Test Point  [_Subversion_Altium_Designer_Library_Trunk_MCD_PARTS_MISC.PcbLib_TP_SMD_1MM]  44.82 84.75 90 top
TP11  Test Point  [_Subversion_Altium_Designer_Library_Trunk_MCD_PARTS_MISC.PcbLib_TP_SMD_1MM]  96.5 88.25 90 top
TP12  Test Point  [_Subversion_Altium_Designer_Library_Trunk_MCD_PARTS_MISC.PcbLib_TP_SMD_1MM]  25.3 87.45 90 top
TP13  Test Point  [_Subversion_Altium_Designer_Library_Trunk_MCD_PARTS_MISC.PcbLib_TP_SMD_1MM]  12 86.95 90 top
TP14  Test Point  [_Subversion_Altium_Designer_Library_Trunk_MCD_PARTS_MISC.PcbLib_TP_SMD_1MM]  99.5 86.75 90 top
TP15  Test Point  [_Subversion_Altium_Designer_Library_Trunk_MCD_PARTS_MISC.PcbLib_TP_SMD_1MM]  114.72 86.35 90 top
TP16  Test Point  [_Subversion_Altium_Designer_Library_Trunk_MCD_PARTS_MISC.PcbLib_TP_SMD_1MM]  31 85.5 90 top
TP17  Test Point  [_Subversion_Altium_Designer_Library_Trunk_MCD_PARTS_MISC.PcbLib_TP_SMD_1MM]  9.5 85.45 90 top
TP18  Test Point  [_Subversion_Altium_Designer_Library_Trunk_MCD_PARTS_MISC.PcbLib_TP_SMD_1MM]  96.5 85.25 90 top
TP19  Test Point  [_Subversion_Altium_Designer_Library_Trunk_MCD_PARTS_MISC.PcbLib_TP_SMD_1MM]  44.82 81.53 90 top
TP20  Test Point  [_Subversion_Altium_Designer_Library_Trunk_MCD_PARTS_MISC.PcbLib_TP_SMD_1MM]  34 84 90 top
TP21  Test Point  [_Subversion_Altium_Designer_Library_Trunk_MCD_PARTS_MISC.PcbLib_TP_SMD_1MM]  12 83.95 90 top
